# Altium PCB klpfly1.6.PcbDoc
Units mil, origin at the board's own origin, x right, y up, seen from the top; angles counter-clockwise.
Board outline 1496.06 x 1496.06 mil, 4 copper layers (Top Layer, POWER2, GND3, Bottom Layer), stack 23.756 mil thick; 127 components, 99 nets, 516 pads, 0 vias.
Unrouted connection lines stored in the file: 361.
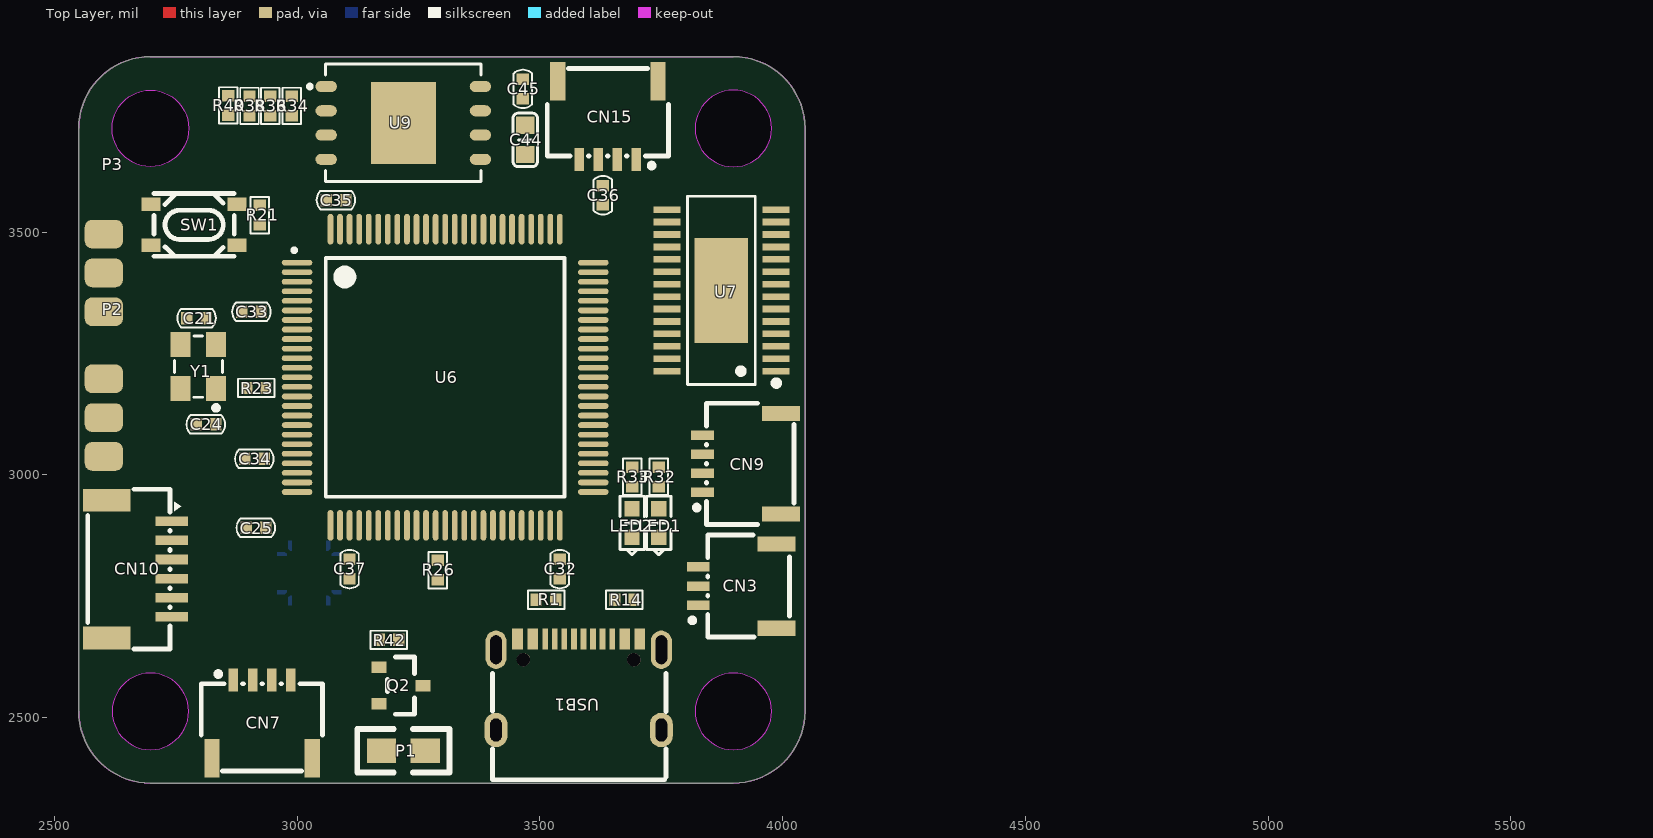
[diagram p0: Top Layer view]
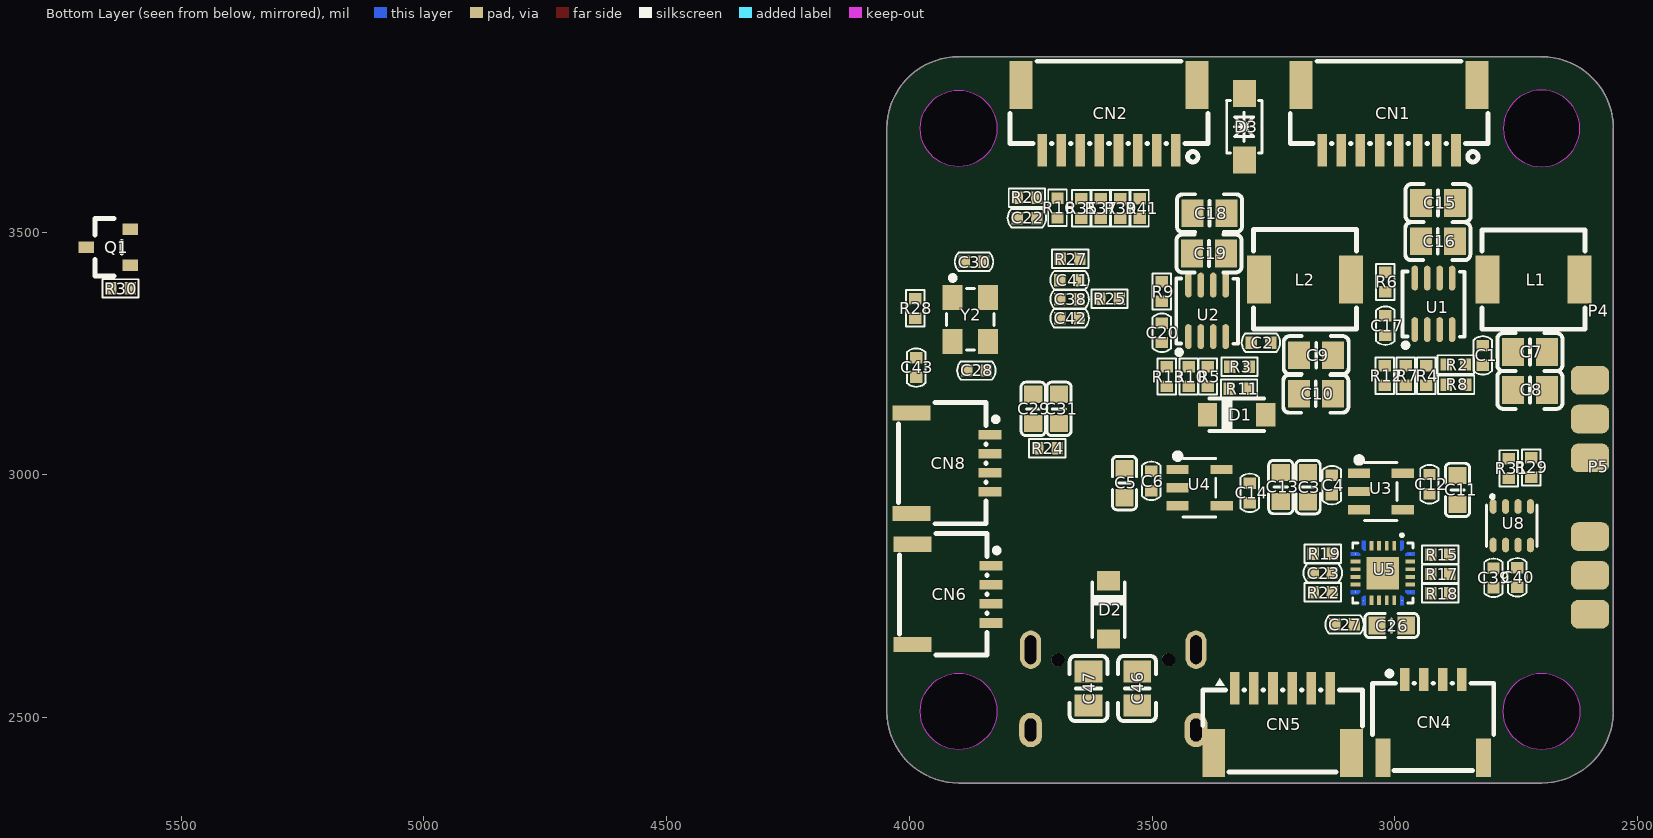
[diagram p1: Bottom Layer view, seen from below]

## Layer stack, top to bottom
Top Solder: solder mask 0.4, Solder Resist, Dk 3.5
Top Layer: signal copper 1.4
Dielectric 2: prepreg 2.8, PP-006, Dk 4.1
POWER2: signal copper 1.378
Dielectric 1: dielectric 12.6, FR-4, Dk 4.8
GND3: signal copper 1.378
Dielectric 3: prepreg 2.8, PP-006, Dk 4.1
Bottom Layer: signal copper 1.4
Bottom Solder: solder mask 0.4, Solder Resist, Dk 3.5

## Board outline
2550.25,2512.89 ccw(c2697.89,2512.89) 2697.89,2365.25 3898.68,2365.25 ccw(c3898.68,2512.89) 4046.31,2512.89 4046.31,3713.68 ccw(c3898.68,3713.68) 3898.68,3861.31 2697.89,3861.31 ccw(c2697.89,3713.68) 2550.25,3713.68
cut-out: 2697.89,3634.93 cw(c2697.89,3713.68) 2619.15,3713.68 cw(c2697.89,3713.68) 2697.89,3792.42 cw(c2697.89,3713.68) 2776.63,3713.68 cw(c2697.89,3713.68)
cut-out: 3819.93,3713.68 ccw(c3898.68,3713.68) 3898.68,3634.93 ccw(c3898.68,3713.68) 3977.42,3713.68 ccw(c3898.68,3713.68) 3898.68,3792.42 ccw(c3898.68,3713.68)
cut-out: 3819.93,2512.89 ccw(c3898.68,2512.89) 3898.68,2434.15 ccw(c3898.68,2512.89) 3977.42,2512.89 ccw(c3898.68,2512.89) 3898.68,2591.63 ccw(c3898.68,2512.89)
cut-out: 2619.15,2512.89 ccw(c2697.89,2512.89) 2697.89,2434.15 ccw(c2697.89,2512.89) 2776.63,2512.89 ccw(c2697.89,2512.89) 2697.89,2591.63 ccw(c2697.89,2512.89)

## Design rules (kind name [scope] priority, off if disabled: settings)
Clearance Clearance_HVPOWER [InNetClass('HVPOWER')] p1: gap=10 ignorepadtopadclearanceinfootprint=TRUE except(0: Arc-Hole Track-Hole SMDPad-Hole THPad-Hole Via-Hole Fill-Hole Poly-Hole Region-Hole Text-Hole)
Clearance Clearance_LVPOWER [InNetClass('LVPOWER')] p2: gap=8 ignorepadtopadclearanceinfootprint=TRUE except(0: Arc-Hole Track-Hole SMDPad-Hole THPad-Hole Via-Hole Fill-Hole Poly-Hole Region-Hole Text-Hole)
Clearance [All] p3: gap=6 ignorepadtopadclearanceinfootprint=TRUE
ComponentClearance [All] p1: gap=10 collisioncheckmode=3 verticalgap=0 showdistances=FALSE
PolygonConnect [All] p1: connectstyle=Relief reliefconductorwidth=10 reliefentries=4 polygonreliefangle="90 Angle" airgapwidth=10
RoutingVias [All] p1: holewidth=10 width=18 viastyle="Through Hole" minholewidth=10 minwidth=18 maxholewidth=100 maxwidth=100
SilkToSilkClearance [All] p1: silktosilkclearance=0
SilkToSolderMaskClearance [IsPad] p1: minsilkscreentomaskgap=0 clearancetoexposedcopper=TRUE
SolderMaskExpansion [All] p1: expansion=4 istentingtop=FALSE
Width Width_LVPOWER [InNetClass('LVPOWER')] p1: maxlimit=1000 minlimit=10 preferedwidth=10
Width Width_HVPOWER [InNetClass('HVPOWER')] p2: maxlimit=1000 minlimit=10 preferedwidth=10
Width [All] p3: maxlimit=1000 minlimit=6 preferedwidth=6
27 further rules are at their usual default settings.

## Classes and differential pairs
net class LVPOWER: GND VCC3V3_IMU VCC3V3_MCU VCC5V
net class HVPOWER: VCC10V VCC_BAT

## Components (designator, comment, footprint, x,y, rotation, side; value= is the part's Value field where it differs from the comment)
C1 "104" 0402C 2819,3246 r270 bottom
C2 "104" 0402C 3276,3272.41 r0 bottom
C3 "10uF" 0603C 3178.85,2974.78 r90 bottom
C4 "104" 0402C 3129.85,2978.78 r90 bottom
C5 "10uF" 0603C 3557,2983 r90 bottom
C6 "104" 0402C 3501.85,2987.78 r90 bottom
C7 "22uF" 0805C 2722,3253 r0 bottom
C8 "22uF" 0805C 2722,3175 r0 bottom
C9 "22uF" 0805C 3162.09,3246.73 r0 bottom
C10 "22uF" 0805C 3163,3167 r0 bottom
C11 "10uF" 0603C 2871,2969 r90 bottom
C12 "104" 0402C 2928.85,2980.78 r90 bottom
C13 "10uF" 0603C 3235,2975 r90 bottom
C14 "104" 0402C 3299,2963 r90 bottom
C15 "22uF" 0805C 2911,3560 r0 bottom
C16 "22uF" 0805C 2911.63,3481.38 r0 bottom
C17 "104" 0402C 3019.63,3307.38 r90 bottom
C18 "22uF" 0805C 3382,3539 r0 bottom
C19 "22uF" 0805C 3383,3456 r0 bottom
C20 "104" 0402C 3480.09,3292.73 r90 bottom
C21 "12pF" 0402C 2793,3323 r180 top
C22 "104" 0402C 3758,3529 r180 bottom
C23 "104" 0402C 3148.67,2797.93 r0 bottom
C24 "12pF" 0402C 2812,3104 r0 top
C25 "104" 0402C 2915,2891 r180 top
C26 "10uF" 0603C 3006.73,2689.66 r0 bottom
C27 "104" 0402C 3103.67,2691.93 r180 bottom
C28 "12pF" 0402C 3862,3215 r180 bottom
C29 "10uF" 0603C 3745,3136 r90 bottom
C30 "12pF" 0402C 3867,3439 r0 bottom
C31 "10uF" 0603C 3692,3136 r90 bottom
C32 "104" 0402C 3541,2806 r90 top
C33 "104" 0402C 2906,3336 r0 top
C34 "104" 0402C 2912,3033 r0 top
C35 "104" 0402C 3080,3566 r180 top
C36 "104" 0402C 3630,3576 r270 top
C37 "104" 0402C 3108,2806 r90 top
C38 "104" 0402C 3670,3362 r0 bottom
C39 "104" 0402C 2797,2788 r90 bottom
C40 "104" 0402C 2748,2789 r90 bottom
C41 "104" 0402C 3670,3401 r0 bottom
C42 "104" 0402C 3670,3323 r0 bottom
C43 "104" 0402C 3986,3221 r90 bottom
C44 "10uF" 0603C 3470,3690 r90 top
C45 "104" 0402C 3465,3795 r270 top
C46 "22uF" 0805C 3531,2560 r90 bottom
C47 "22uF" 0805C 3631,2560 r90 bottom
CN1 "SH1.0X8P" CONN-SMD_8P-P1.00_WAFER-SH1.0-8PWB 3012,3736 r0 bottom
CN2 "SH1.0X8P" CONN-SMD_8P-P1.00_WAFER-SH1.0-8PWB 3589,3736 r0 bottom
CN3 "SH1.0-3P" CONN-SMD_3P-P1.00_HDGC_HDGC1002WR-S-3P 3907,2771 r90 top
CN4 "HDGC1002WR-S-4P" CONN-SMD_4P-P1.00_HDGC_HDGC1002WR-S-4P 2921,2498 r180 bottom
CN5 "SH1.0X6P" CONN-SMD_6P-P1.00_MEGASTAR_ZX-SH1.0-6PWT 3231.43,2494.06 r180 bottom
CN6 "HDGC1002WR-S-4P" CONN-SMD_4P-P1.00_HDGC_HDGC1002WR-S-4P 3913,2754 r270 bottom
CN7 "HDGC1002WR-S-4P" CONN-SMD_4P-P1.00_HDGC_HDGC1002WR-S-4P 2928,2497 r0 top
CN8 "HDGC1002WR-S-4P" CONN-SMD_4P-P1.00_HDGC_HDGC1002WR-S-4P 3915,3024 r270 bottom
CN9 "HDGC1002WR-S-4P" CONN-SMD_4P-P1.00_HDGC_HDGC1002WR-S-4P 3916,3023 r90 top
CN10 "SH1.0X6P" CONN-SMD_6P-P1.00_MEGASTAR_ZX-SH1.0-6PWT 2675,2806 r270 top
CN15 "HDGC1002WR-S-4P" CONN-SMD_4P-P1.00_HDGC_HDGC1002WR-S-4P 3640,3730 r180 top
D1 "SS34" SOD-123 3326,3124 r0 bottom
D2 "SS34" SOD-123 3590,2722 r90 bottom
D3 "SMF28CA" SOD-123_L2.7-W1.8-LS3.7-BI 3310,3717 r270 bottom
L1 "10uH" IND-SMD_L5.4-W5.1 2714.63,3402.38 r0 bottom
L2 "10uH" IND-SMD_L5.4-W5.1 3185.09,3402.73 r0 bottom
LED1 "LED1" LED-0603 3745,2901 r270 top value=红色,0603
LED2 "LED1" LED-0603 3690,2901 r270 top value=红色,0603
P1 "BEEPER" 0805 3174,2432 r0 top
P2 "LED焊盘" 3P 2602,3038 r0 top
P3 "LED焊盘" 3P 2602,3336 r0 top
P4 "LED焊盘" 3P 2598,3035 r180 bottom
P5 "LED焊盘" 3P 2598,2713 r180 bottom
Q1 "S8050LT1-J3Y" SOT-23_L2.9-W1.3-P1.90-LS2.4-BR 5650,3469 r180 bottom
Q2 "S8050LT1-J3Y" SOT-23_L2.9-W1.3-P1.90-LS2.4-BR 3214,2566 r180 top
R1 "5.1K" 0402R 3513,2743 r0 top
R2 "20R" 0402R 2874.63,3227.38 r180 bottom
R3 "20R" 0402R 3320.09,3222.73 r180 bottom
R4 "1M" 0402R 2935.63,3204.38 r90 bottom
R5 "1M" 0402R 3385.09,3202.73 r90 bottom
R6 "100K" 0402R 3019.63,3397.38 r90 bottom
R7 "51K" 0402R 2977.63,3204.38 r270 bottom
R8 "41.2K" 0402R 2874,3186 r180 bottom
R9 "100K" 0402R 3480.09,3377.73 r90 bottom
R10 "51K" 0402R 3425.09,3202.73 r270 bottom
R11 "41.2K" 0402R 3321,3177.41 r180 bottom
R12 "3.6K" 0402R 3020.63,3204.38 r270 bottom
R13 "7.68K" 0402R 3470.09,3202.73 r270 bottom
R14 "5.1K" 0402R 3674,2743 r180 top
R15 "10K" 0402R 2906.67,2835.92 r0 bottom
R16 "10K" 0402R 3695,3550 r90 bottom
R17 "10K" 0402R 2906.67,2795.92 r0 bottom
R18 "10K" 0402R 2906.67,2755.92 r0 bottom
R19 "10K" 0402R 3148.67,2837.93 r0 bottom
R20 "1K" 0402R 3758,3571 r180 bottom
R21 "10K" 0402R 2923,3535 r90 top
R22 "10K" 0402R 3148.67,2757.93 r0 bottom
R23 "10K" 0402R 2916,3179 r180 top
R24 "75R" 0402R 3716,3055 r180 bottom
R25 "75R" 0402R 3588,3363 r0 bottom
R26 "10K" 0402R 3290,2803.76 r270 top
R27 "10K" 0402R 3669,3445 r0 bottom
R28 "10K" 0402R 3988,3343 r90 bottom
R29 "10K" 0402R 2719.2,3015.3 r90 bottom
R30 "1K" 0402R 5625,3384 r0 bottom
R31 "10K" 0402R 2765.2,3013.3 r90 bottom
R32 "4.7K" 0402R 3745,2996 r90 top
R33 "4.7K" 0402R 3690,2996 r90 top
R34 "100R" 0402R 2989,3760 r90 top
R35 "100R" 0402R 3646,3549 r270 bottom
R36 "100R" 0402R 2945,3760 r90 top
R37 "100R" 0402R 3606,3549 r270 bottom
R38 "100R" 0402R 2902,3760 r90 top
R39 "100R" 0402R 3566,3549 r270 bottom
R40 "100R" 0402R 2858,3761 r90 top
R41 "100R" 0402R 3526,3549 r270 bottom
R42 "1K" 0402R 3189,2660 r180 top
SW1 "TS3425BA" SW-SMD_4P-L4.2-W3.2-P2.15-LS4.6-1 2788,3515 r0 top
U1 "MP9943" QFN-8-3X3 2919.63,3352.38 r90 bottom
U2 "MP9943" QFN-8-3X3 3386,3338 r90 bottom
U3 "SPX3819M5-L-3-3/TR" SOT-23-5_L3.0-W1.7-P0.95-LS2.8-BL 3028.85,2965.78 r270 bottom
U4 "SPX3819M5-L-3-3/TR" SOT-23-5_L3.0-W1.7-P0.95-LS2.8-BL 3402.58,2973.6 r270 bottom
U5 "MPU6500" QFN-24_L3.0-W3.0-P0.40-BL-EP 3024.87,2797.8 r0 bottom
U6 "AT32F437VMT7-LQFP100" LQFP-100_L14.0-W14.0-P0.50-LS16.0-TL 3305,3201 r0 top
U7 "AT7456E" TSSOP-28_L9.7-W4.4-P0.65-LS6.4-BL-EP5.5 3874.01,3380 r90 top
U8 "BMP280" SENSOR-TH_BMP280-BL 2759.2,2895.3 r270 bottom
U9 "W25N01GVZEIG" WSON-8_L8.0-W6.10-P1.27-EP 3218.77,3725 r0 top
USB1 "" USB-C-SMD_TYPE-C-6PIN-2MD-073 3580,2568 r0 top
Y1 "8Mhz" XTAL3225 2833,3178 r90 top
Y2 "27MHz" XTAL3225 3910.83,3365.55 r270 bottom

## Footprints (in the part's own frame and the unit in brackets; to place one, negate y for a bottom-side part, rotate by r counter-clockwise, add the part's x,y. Pads: shape width x height; smd on the part's side, far side on the other; paste and mask are expansions set on the pad)
3P [mm]
  rrect50% 2x1.5 smd: 1(0,0) 2(0,2.032) 3(0,4.064)
0402C [mm]
  rect 0.6x0.65 smd: 1(-0.508,0) 2(0.508,0)
  silkscreen extent -1.01,-0.48 1.01,0.48, body extent -0.51,-0.23 0.49,0.27, height 0.5
0402R [mm]
  rect 0.6x0.65 smd: 1(-0.508,0) 2(0.508,0)
  silkscreen extent -0.95,-0.48 0.95,0.48, body extent -0.47,-0.25 0.53,0.25, height 0.35
0603C [mm]
  rect 0.9x0.95 smd: 1(-0.762,0) 2(0.762,0)
  silkscreen extent -1.4,-0.64 1.4,0.64, body extent -0.79,-0.38 0.81,0.42, height 0.3
0805 [mil]
  rect 60x50 smd: 1(0,-0.06) 2(90,-0.06)
  silkscreen extent -50,-45 140,45
0805C [mm]
  rect 1.15x1.45 smd: 1(-0.889,0) 2(0.889,0)
  silkscreen extent -1.7,-0.99 1.7,0.99, body extent -1,-0.63 1,0.63, height 0.78
CONN-SMD_3P-P1.00_HDGC_HDGC1002WR-S-3P [mm]
  rect 0.5x1.2 smd paste+0 mask+0.05: 1(-1,2.05) 2(0,2.05) 3(1,2.05)
  rect 0.8x2 smd paste+0 mask+0.05: 4(2.2,-2.05) 5(-2.2,-2.05)
  silkscreen extent -2.67,-2.72 2.67,2.48
CONN-SMD_4P-P1.00_HDGC_HDGC1002WR-S-4P [mm]
  rect 0.5x1.2 smd paste+0 mask+0.05: 1(-1.5,2.05) 2(-0.5,2.05) 3(0.5,2.05) 4(1.5,2.05)
  rect 0.8x2 smd paste+0 mask+0.05: 5(2.625,-2.05) 6(-2.625,-2.05)
  silkscreen extent -3.18,-2.72 3.17,2.49
CONN-SMD_6P-P1.00_MEGASTAR_ZX-SH1.0-6PWT [mm]
  rect 0.5x1.7 smd paste+0 mask+0.05: 1(-2.5,1.7) 2(-1.5,1.7) 3(-0.5,1.7) 4(0.5,1.7) 5(1.5,1.7) 6(2.5,1.7)
  rect 1.2x2.5 smd paste+0 mask+0.05: 7(3.6,-1.7) 8(-3.6,-1.7)
  silkscreen extent -4.17,-2.7 4.18,2.21
CONN-SMD_8P-P1.00_WAFER-SH1.0-8PWB [mm]
  rect 0.5x1.7 smd paste+0 mask+0.05: 1(-3.5,1.7) 2(-2.5,1.7) 3(-1.5,1.7) 4(-0.5,1.7) 5(0.5,1.7) 6(1.5,1.7) 7(2.5,1.7) 8(3.5,1.7)
  rect 1.2x2.5 smd paste+0 mask+0.05: 9(-4.6,-1.7) 10(4.6,-1.7)
  silkscreen extent -5.17,-2.95 5.17,2.32
IND-SMD_L5.4-W5.1 [mm]
  rect 1.25x2.5 smd paste+0.051: 1(-2.4,0) 2(2.4,0)
  silkscreen extent -2.7,-2.6 2.7,2.6
LED-0603 [mm]
  rect 0.8x0.8 smd: 1(-0.75,0) 2(0.75,0)
  silkscreen extent -1.4,-0.64 1.66,0.64, body extent -0.8,-0.4 0.8,0.4, height 0.4
LQFP-100_L14.0-W14.0-P0.50-LS16.0-TL [mm]
  oval 1.6x0.3 smd paste+0 mask+0.051: 1(-7.75,6) 2(-7.75,5.5) 3(-7.75,5) 4(-7.75,4.5) 5(-7.75,4) 6(-7.75,3.5) 7(-7.75,3) 8(-7.75,2.5) 9(-7.75,2) 10(-7.75,1.5) 11(-7.75,1) 12(-7.75,0.5) 13(-7.75,0) 14(-7.75,-0.5) 15(-7.75,-1) 16(-7.75,-1.5) 17(-7.75,-2) 18(-7.75,-2.5) 19(-7.75,-3) 20(-7.75,-3.5) 21(-7.75,-4) 22(-7.75,-4.5) 23(-7.75,-5) 24(-7.75,-5.5) 25(-7.75,-6) 51(7.75,-6) 52(7.75,-5.5) 53(7.75,-5) 54(7.75,-4.5) 55(7.75,-4) 56(7.75,-3.5) 57(7.75,-3) 58(7.75,-2.5) 59(7.75,-2) 60(7.75,-1.5) 61(7.75,-1) 62(7.75,-0.5) 63(7.75,0) 64(7.75,0.5) 65(7.75,1) 66(7.75,1.5) 67(7.75,2) 68(7.75,2.5) 69(7.75,3) 70(7.75,3.5) 71(7.75,4) 72(7.75,4.5) 73(7.75,5) 74(7.75,5.5) 75(7.75,6)
  oval 0.3x1.6 smd paste+0 mask+0.051: 26(-6,-7.75) 27(-5.5,-7.75) 28(-5,-7.75) 29(-4.5,-7.75) 30(-4,-7.75) 31(-3.5,-7.75) 32(-3,-7.75) 33(-2.5,-7.75) 34(-2,-7.75) 35(-1.5,-7.75) 36(-1,-7.75) 37(-0.5,-7.75) 38(0,-7.75) 39(0.5,-7.75) 40(1,-7.75) 41(1.5,-7.75) 42(2,-7.75) 43(2.5,-7.75) 44(3,-7.75) 45(3.5,-7.75) 46(4,-7.75) 47(4.5,-7.75) 48(5,-7.75) 49(5.5,-7.75) 50(6,-7.75) 76(6,7.75) 77(5.5,7.75) 78(5,7.75) 79(4.5,7.75) 80(4,7.75) 81(3.5,7.75) 82(3,7.75) 83(2.5,7.75) 84(2,7.75) 85(1.5,7.75) 86(1,7.75) 87(0.5,7.75) 88(0,7.75) 89(-0.5,7.75) 90(-1,7.75) 91(-1.5,7.75) 92(-2,7.75) 93(-2.5,7.75) 94(-3,7.75) 95(-3.5,7.75) 96(-4,7.75) 97(-4.5,7.75) 98(-5,7.75) 99(-5.5,7.75) 100(-6,7.75)
  silkscreen extent -8,-6.25 6.25,6.75
QFN-8-3X3 [mm]
  oval 1.3x0.35 smd paste+0 mask+0.051: 1(-1.349,1.001) 2(-1.349,0.351) 3(-1.349,-0.3) 4(-1.349,-0.95) 5(1.346,-0.95) 6(1.346,-0.3) 7(1.346,0.351) 8(1.349,1.001)
  silkscreen extent -2.29,-1.6 1.68,1.64
QFN-24_L3.0-W3.0-P0.40-BL-EP [mm]
  round 0.04 smd: 1(-1,-1.428) 6(1,-1.428) 7(1.428,-1) 12(1.428,1) 13(1,1.428) 18(-1,1.428) 19(-1.428,1) 24(-1.428,-1)
  rect 0.2x0.505 smd paste-100 mask+0.051: 2(-0.6,-1.428) 3(-0.2,-1.428) 4(0.2,-1.428) 5(0.6,-1.428) 14(0.6,1.428) 15(0.2,1.428) 16(-0.2,1.428) 17(-0.6,1.428)
  rect 0.505x0.2 smd paste-100 mask+0.051: 8(1.428,-0.6) 9(1.428,-0.2) 10(1.428,0.2) 11(1.428,0.6) 20(-1.428,0.6) 21(-1.428,0.2) 22(-1.428,-0.2) 23(-1.428,-0.6)
  rect 1.7x1.7 smd paste-100 mask+0.051: 25(0,0)
  Top Layer region: -1.68,1.1 -1.274,1.1 -1.174,1 -1.175,0.9 -1.68,0.9 -1.68,1.1
  Top Layer region: 1.1,-1.68 0.9,-1.68 0.9,-1.175 1,-1.175 1.1,-1.275 1.1,-1.68
  Top Layer region: -1.1,-1.68 -0.9,-1.68 -0.9,-1.175 -1,-1.174 -1.1,-1.275 -1.1,-1.68
  Top Layer region: 1.1,1.68 0.9,1.68 0.9,1.175 1,1.174 1.1,1.274 1.1,1.68
  Top Layer region: 1.68,1.1 1.274,1.1 1.174,1 1.175,0.9 1.68,0.9 1.68,1.1
  Top Layer region: 1.68,-1.1 1.275,-1.1 1.175,-1 1.175,-0.9 1.68,-0.9 1.68,-1.1
  Top Layer region: -1.68,-1.1 -1.274,-1.1 -1.174,-1 -1.175,-0.9 -1.68,-0.9 -1.68,-1.1
  Top Layer region: -1.1,1.68 -0.9,1.68 -0.9,1.175 -1,1.174 -1.1,1.274 -1.1,1.68
  silkscreen extent -1.58,-2.05 1.58,1.58
SENSOR-TH_BMP280-BL [mm]
  oval 0.767x0.364 smd paste+0 mask+0.051: 1(-1.008,-0.975) 2(-1.008,-0.325) 3(-1.008,0.325) 4(-1.008,0.975) 5(1.009,0.975) 6(1.009,0.325) 7(1.009,-0.325) 8(1.009,-0.975)
  silkscreen extent -1.61,-1.33 1.08,1.33
SOD-123 [mm]
  rect 1x1.22 smd: 1(-1.524,0) 2(1.524,0)
  silkscreen extent -1.43,-0.85 1.42,0.85, body extent -1.85,-0.81 1.85,0.79, height 1.2
SOD-123_L2.7-W1.8-LS3.7-BI [mm]
  rect 1.4x1.2 smd paste+0 mask+0.051: 1(-1.735,0) 2(1.735,0)
  silkscreen extent -1.38,-0.93 1.38,0.93
SOT-23-5_L3.0-W1.7-P0.95-LS2.8-BL [mm]
  rect 0.49x1.157 smd paste+0 mask+0.051: 1(-0.95,-1.154) 2(0,-1.154) 3(0.95,-1.154)
  rect 0.49x1.175 smd paste+0 mask+0.051: 4(0.95,1.154) 5(-0.95,1.154)
  silkscreen extent -1.8,-1.29 1.53,0.85
SOT-23_L2.9-W1.3-P1.90-LS2.4-BR [mm]
  rect 0.8x0.6 smd paste+0 mask+0.051: 1(1.15,-0.95) 2(1.15,0.95) 3(-1.15,0)
  silkscreen extent -0.7,-1.5 0.7,1.5
SW-SMD_4P-L4.2-W3.2-P2.15-LS4.6-1 [mm]
  rect 1x0.7 smd paste+0 mask+0.051: 1(-2.25,1.075) 2(2.25,1.075) 3(-2.25,-1.075) 4(2.25,-1.075)
  silkscreen extent -2.1,-1.65 2.1,1.65
TSSOP-28_L9.7-W4.4-P0.65-LS6.4-BL-EP5.5 [mm]
  rect 0.35x1.4 smd paste+0 mask+0.051: 1(-4.225,-2.85) 2(-3.575,-2.85) 3(-2.925,-2.85) 4(-2.275,-2.85) 5(-1.625,-2.85) 6(-0.975,-2.85) 7(-0.325,-2.85) 8(0.325,-2.85) 9(0.975,-2.85) 10(1.625,-2.85) 11(2.275,-2.85) 12(2.925,-2.85) 13(3.575,-2.85) 14(4.225,-2.85) 15(4.225,2.85) 16(3.575,2.85) 17(2.925,2.85) 18(2.275,2.85) 19(1.625,2.85) 20(0.975,2.85) 21(0.325,2.85) 22(-0.325,2.85) 23(-0.975,2.85) 24(-1.625,2.85) 25(-2.275,2.85) 26(-2.925,2.85) 27(-3.575,2.85) 28(-4.225,2.85)
  rect 5.5x2.8 smd paste+0 mask+0.05: 29(0,0)
  silkscreen extent -5,-3.02 4.93,1.77
USB-C-SMD_TYPE-C-6PIN-2MD-073 [mm]
  rect 0.55x1.1 smd paste-100 mask+0.05: 1(-3.2,2.375) 2(-2.4,2.375) 11(2.4,2.375) 12(3.2,2.375)
  rect 0.3x1.1 smd paste-100 mask+0.05: 3(-1.75,2.375) 4(-1.25,2.375) 5(-0.75,2.375) 6(-0.25,2.375) 7(0.25,2.375) 8(0.75,2.375) 9(1.25,2.375) 10(1.75,2.375)
  oval 1.2x1.8 hole 0.6 slot 1.2 at 90 deg paste+0 mask+0.05: 13(-4.325,-2.375) 14(4.325,-2.375)
  oval 1.1x2 hole 0.6 slot 1.5 at 90 deg paste+0 mask+0.05: 13(-4.325,1.825) 14(4.325,1.825)
  round 0.7 hole 0.7 unplated paste+0: ""(-2.89,1.305) ""(2.89,1.305)
  silkscreen extent -4.5,-4.97 4.57,0.6
WSON-8_L8.0-W6.10-P1.27-EP [mm]
  oval 1.115x0.581 smd paste+0 mask+0.051: 1(-4.033,1.905) 2(-4.033,0.635) 3(-4.033,-0.635) 4(-4.033,-1.905) 5(4.033,-1.905) 6(4.033,-0.635) 7(4.033,0.635) 8(4.033,1.905)
  rect 3.4x4.3 smd paste+0 mask+0.051: 9(0,0)
  silkscreen extent -4.99,-3.08 4.08,3.08
XTAL3225 [mm]
  rect 1.3x1.05 smd: 1(0,0) 2(2.3,0) 3(2.3,1.85) 4(0,1.85)
  silkscreen extent -1.14,-0.33 2.74,2.17

## Part data
C1 C2 C3 C4 C5 C6 C7 C8 C9 C10 C11 C12 C13 C14 C15 C16 C17 C18 C19 C20 C21 C22 C23 C24 C25 C26 C27 C28 C29 C30 C31 C32 C33 C34 C35 C36 C37 C38 C39 C40 C41 C42 C43 C44 C45 C46 C47: library part C
CN1 CN2: library part WAFER_SMT_1.0X8, "SH1.0 8P", JLCPCB Part Class="Extended Part", Manufacturer=null, Add into BOM=yes, Convert to PCB=yes, Device=WAFER_SMT_1.0X8, FootprintName=CONN-SMD_8P-P1.00_WAFER-SH1.0-8PWB, Manufacturer Part=WAFER_SMT_1.0X8, ModelTransform=407.873,198.8185,0,0,0,0,-0.001,-16.732,0, OriginModelName=CONN-SMD_8P-P1.00_WAFER-SH1.0-8PWB, Supplier=LCSC, Supplier Part=C9900021939, SymbolName=SH1.0X8P, UniqueId=ggebe725300a9fc9f2b
CN3: library part HDGC1002WR-S-3P, "SH1.0 3P", JLCPCB Part Class="Extended Part", Manufacturer=HDGC(华德共创), Add into BOM=yes, Convert to PCB=yes, Device=HDGC1002WR-S-3P, FootprintName=CONN-SMD_3P-P1.00_HDGC_HDGC1002WR-S-3P, Manufacturer Part=HDGC1002WR-S-3P, ModelTransform=210.63,196.85,0,0,0,0,0,-9.565,0, OriginModelName=CONN-SMD_3P-P1.00_HDGC_HDGC1002WR-S-3P, Supplier=LCSC, Supplier Part=C2936213, SymbolName=SH1.0-3P, UniqueId=gge2ce44b7eaad9832b
CN4 CN6 CN7 CN8 CN9 CN15: "SH1.0 4P", JLCPCB Part Class="Extended Part", Manufacturer=HDGC(华德共创), Add into BOM=yes, Convert to PCB=yes, Device=HDGC1002WR-S-4P, FootprintName=CONN-SMD_4P-P1.00_HDGC_HDGC1002WR-S-4P, Manufacturer Part=HDGC1002WR-S-4P, ModelTransform=249.9995,196.85,0,0,0,0,0,-5.906,0, OriginModelName=CONN-SMD_4P-P1.00_HDGC_HDGC1002WR-S-4P, Supplier=LCSC, Supplier Part=C2936214, SymbolName=HDGC1002WR-S-4P, UniqueId=ggee5a51ee7bd50bb1d
CN5 CN10: library part ZX-SH1.0-6PWT, "SH1.0 6P", JLCPCB Part Class="Extended Part", Manufacturer=Megastar(兆星), Add into BOM=yes, Convert to PCB=yes, Device=ZX-SH1.0-6PWT, FootprintName=CONN-SMD_6P-P1.00_MEGASTAR_ZX-SH1.0-6PWT, link=https://so.szlcsc.com/global.html?k=C7430448&ref=editor, Manufacturer Part=ZX-SH1.0-6PWT, ModelTransform=329.1332,198.8185,0,0,0,0,0.002,-7.876,0, OriginModelName=CONN-SMD_6P-P1.00_MEGASTAR_ZX-SH1.0-6PWT, Supplier=LCSC, Supplier Part=C7430448, SymbolName=SH1.0X6P, UniqueId=ggecd9d3fcf4734ba22
D1 D2: library part D, "1N4148"
D3: JLCPCB Part Class="Extended Part", Manufacturer=AnBon(安邦), Add into BOM=yes, Convert to PCB=yes, Device=SMF28CA, FootprintName=SOD-123_L2.7-W1.8-LS3.7-BI, link=https://so.szlcsc.com/global.html?k=C435496&ref=editor, Manufacturer Part=SMF28CA, ModelTransform=145.669,70.866,0,0,0,0,0,0,0, OriginModelName=SOD-123_L2.7-W1.8-LS3.7-BI, Supplier=LCSC, Supplier Part=C435496, SymbolName=SMF28CA, UniqueId=gge8336ca0810bb463b
L1 L2: library part L
LED1 LED2: "红色,0603,0603,*,RoHS", ComponentLink1Description=ErpDataInfo, ComponentLink1URL=http://erp.zlgmcu.com/ErpExt/ErpData/ListMateriel.aspx?pkey=1.04.05.0008, RoHS=RoHS, 名称=发光二极管, 器件优选方案=优先选用, 型号=红色,0603, 封装=0603, 物料代码=1.04.05.0008, 设备封装名称=LED0603-RED, 贴片和直插=SMT
P1: library part "Header 2", "Header, 2-Pin", LatestRevisionDate=17-Jul-2002, LatestRevisionNote="Re-released for DXP Platform.", Publisher="Altium Limited"
Q1 Q2: Manufacturer=FH(风华), Add into BOM=yes, Convert to PCB=yes, Device=S8050LT1-J3Y, FootprintName=SOT-23_L2.9-W1.3-P1.90-LS2.4-BR, link=https://atta.szlcsc.com/upload/public/pdf/source/20220411/740B3F4857AB400E9826209E74F1EDA4.pdf, Manufacturer Part=S8050LT1-J3Y, ModelTransform=98.64468,114.173,0,180,0,0,0.001,0.001,0, OriginModelName=SOT-23-3P_L2.9-W1.3-H1.0-LS2.4-P0.95, Supplier=LCSC, Supplier Part=C2962087, SymbolName=S8050LT1-J3Y, UniqueId=gge1c8eb3e3ebf663b6
R1 R2 R3 R4 R5 R6 R7 R8 R9 R10 R11 R12 R13 R14 R15 R16 R17 R18 R19 R20 R21 R22 R23 R24 R25 R26 R27 R28 R29 R30 R31 R32 R33 R34 R35 R36 R37 R38 R39 R40 R41 R42: library part R
SW1: JLCPCB Part Class="Extended Part", Manufacturer="SHOU HAN(首韩)", Package Display=No, Contributor=LCSC, Manufacturer Part=TS3425BA, spicePre=S, spiceSymbolName=TS3425BA, Supplier=LCSC, Supplier Part=C2681476
U3 U4: JLCPCB Part Class="Extended Part", Manufacturer=MaxLinear(迈凌), Add into BOM=yes, Convert to PCB=yes, Device=SPX3819M5-L-3-3/TR, FootprintName=SOT-23-5_L3.0-W1.7-P0.95-LS2.8-BL, Manufacturer Part=SPX3819M5-L-3-3/TR, ModelTransform=114.173,109.636,0,180,0,0,0,-0.001,0, OriginModelName=SOT-23-5_L2.9-W1.6-H1.1-LS2.8-P0.95, Supplier=LCSC, Supplier Part=C9055, SymbolName=SPX3819M5-L-3-3/TR, UniqueId=gge70c12bce5ebcd7d5
U5: library part MPU-6500, JLCPCB Part Class="Extended Part", Manufacturer="TDK InvenSense(应美盛)", Add into BOM=yes, Convert to PCB=yes, Device=MPU-6500, FootprintName=QFN-24_L3.0-W3.0-P0.40-BL-EP, Manufacturer Part=MPU-6500, ModelTransform=118.11,118.11,0,90,0,0,0,0,0, OriginModelName=QFN-24_L3.0-W3.0-H0.9-P0.40-BL-EP, Supplier=LCSC, Supplier Part=C50278, SymbolName=MPU6500, UniqueId=gge6fb0faa0bb8ee760
U6: library part AT32F435VMT7, Manufacturer=ARTERY（雅特力）, Add into BOM=yes, Convert to PCB=yes, Device=AT32F435VMT7, FootprintName=LQFP-100_L14.0-W14.0-P0.50-LS16.0-TL, link=https://atta.szlcsc.com/upload/public/pdf/source/20220608/9A6D4578C11CEA8ECA586071DFEBC06A.pdf, Manufacturer Part=AT32F435VMT7, ModelTransform=629.921,629.921,0,270,0,0,0,0,0, OriginModelName=LQFP-100_L14.0-W14.0-H1.4-LS16.0-P0.50, Supplier=LCSC, Supplier Part=C3029578, SymbolName=AT32F437VMT7-LQFP100, UniqueId=ggece277d5420079038
U7: JLCPCB Part Class="Extended Part", Manufacturer=ZHONGKEWEI, Add into BOM=yes, Convert to PCB=yes, Device=AT7456E, FootprintName=TSSOP-28_L9.7-W4.4-P0.65-LS6.4-BL-EP5.5, Manufacturer Part=AT7456E, ModelTransform=381.889,251.968,0,0,0,0,0,0.005,0, OriginModelName=TSSOP-28_L9.7-W4.4-P0.65-LS6.4-BL-EP5.5, Supplier=LCSC, Supplier Part=C82351, SymbolName=AT7456E, UniqueId=gge0ef7d474198b7014
U8: JLCPCB Part Class="Extended Part", Manufacturer=Bosch, Add into BOM=yes, Convert to PCB=yes, Device=BMP280, FootprintName=SENSOR-TH_BMP280-BL, Manufacturer Part=BMP280, ModelTransform=98.425,78.74,0,270,0,0,0.005,-0.001,0, OriginModelName=LGA-8_L2.0-W2.5-H1.0-P0.65, Supplier=LCSC, Supplier Part=C83291, SymbolName=BMP280, UniqueId=gge447de30e0e3d1cf2
U9: JLCPCB Part Class="Extended Part", Manufacturer="Winbond Elec", Add into BOM=yes, Convert to PCB=yes, Device=W25N01GVZEIG, FootprintName=WSON-8_L8.0-W6.10-P1.27-EP, Manufacturer Part=W25N01GVZEIG, ModelTransform=315.7474,236.22,0,0,0,0,0,0,0, OriginModelName=WSON-8_L8.0-W6.0-H0.8-P1.27, Supplier=LCSC, Supplier Part=C88868, SymbolName=W25N01GVZEIG, UniqueId=ggee63176ef5aab684c
USB1: library part "TYPE-C 16PIN 2MD(073)", JLCPCB Part Class="Extended Part", Manufacturer="SHOU HAN(首韩)", Package Display=Yes, Contributor=LCSC, Manufacturer Part="TYPE-C 16PIN 2MD(073)", spicePre=U, spiceSymbolName="TYPE-C 16PIN 2MD(073)", Supplier=LCSC, Supplier Part=C2765186
Y1 Y2: library part XTAL_3225, "3225贴片无源晶振"
U1 U2: Add into BOM=yes, Convert to PCB=yes, Device=MP9943, FootprintName=QFN-8-3X3, SymbolName=MP9943, UniqueId=ggeb87cc7bca5c8949e

## Nets (pads, with @x,y where several pads share a name; then routed paths per layer and width w, separated by ;. In a path a pad name is that pad's centre, name@x,y a point inside that pad or via, vN(x,y) a via of type N, cw(c..) or ccw(c..) an arc to the next point about the centre after c; other vN are vias at no path point)
: CN9.1 U6.68
AT_CS: R28.2 U6.86 U7.8
AT_MISO: U6.84 U7.11
AT_MOSI: U6.85 U7.9
AT_SCK: U6.82 U7.10
BEEPER: R42.1 U6.48
BOOT0: R21.2 SW1.1 SW1.2 U6.94
BOX_CS: U6.87 U9.1
BOX_MISO: U6.79 U9.2
BOX_MOSI: U6.80 U9.5
BOX_SCK: U6.78 U9.6
CURRENT1: CN1.1 U6.36
GND: C3.1 C4.1 C5.1 C6.1 C7.1 C8.1 C9.1 C10.1 C11.1 C12.1 C13.1 C14.1 C15.1 C16.1 C17.1 C18.1 C19.1 C20.1 C21.1 C22.1 C23.2 C24.1 C25.1 C26.1 C27.1 C28.1 C30.1 C32.1 C33.1 C34.1 C35.1 C36.1 C37.1 C39.1 C40.1 C41.1 C42.1 C43.1 C44.1 C45.1 C46.1 C47.1 CN1.8 CN1.9 CN1.10 CN2.8 CN2.9 CN2.10 CN3.1 CN3.4 CN3.5 CN4.4 CN4.5 CN4.6 CN5.2 CN5.5 CN5.7 CN5.8 CN6.2 CN6.5 CN6.6 CN7.4 CN7.5 CN7.6 CN8.3 CN8.5 CN8.6 CN9.4 CN9.5 CN9.6 CN10.5 CN10.7 CN10.8 CN15.4 CN15.5 CN15.6 D3.1 LED1.2 LED2.2 P2.3 P3.3 P4.3 P5.3 Q1.2 Q2.2 R1.1 R12.1 R13.1 R14.1 R19.2 R20.1 R21.1 R22.2 R25.1 R26.2 U1.5 U2.5 U3.2 U4.2 U5.18 U5.20 U5.25 U6.10 U6.20 U6.27 U6.74 U6.99 U7.4 U7.20 U7.23 U8.1 U8.5 U8.7 U9.4 U9.9 USB1.1 USB1.12 USB1.13 USB1.14 Y1.2 Y1.4 Y2.2 Y2.4
GYRO_CS1: R18.2 U5.22 U6.29
GYRO_EXTI1: U6.77
GYRO_EXTI2: U6.60
GYRO_MISO: R19.1 U5.9 U6.31
GYRO_MOSI: R15.2 U5.24 U6.32
GYRO_SCK: R17.2 U5.23 U6.30
HEXT_IN: C21.2 U6.12 Y1.3
HEXT_OUT: C24.2 U6.13 Y1.1
I2C_SCL: CN10.2 R29.1 U6.15 U8.4
I2C_SDA: CN10.1 R31.1 U6.16 U8.3
LED: P2.1 P3.1 P4.1 P5.1 U6.47
LED1: R32.2 U6.61
LED2: R33.2 U6.62
MOTOR1: R34.2 U6.92
MOTOR2: R36.2 U6.93
MOTOR3: R38.2 U6.95
MOTOR4: R40.2 U6.96
NetC1_1: C1.1 L1.2 U1.6
NetC1_2: C1.2 R2.2
NetC2_1: C2.1 L2.2 U2.6
NetC2_2: C2.2 R3.2
NetC9_2: C9.2 C10.2 D1.1 L2.1 R11.2
NetC17_2: C17.2 R6.1 U1.2
NetC20_2: C20.2 R9.1 U2.2
NetC23_1: C23.1 U5.10
NetC29_1: C29.1 C31.1 R24.2
NetC29_2: C29.2 U7.26
NetC31_2: C31.2 U7.25
NetC38_2: C38.2 U7.22
NetCN1_3: CN1.3 R40.1
NetCN1_4: CN1.4 R38.1
NetCN1_5: CN1.5 R36.1
NetCN1_6: CN1.6 R34.1
NetCN2_3: CN2.3 R41.1
NetCN2_4: CN2.4 R39.1
NetCN2_5: CN2.5 R37.1
NetCN2_6: CN2.6 R35.1
NetLED1_1: LED1.1 R32.1
NetLED2_1: LED2.1 R33.1
NetP1_2: P1.2 Q2.3
NetQ2_1: Q2.1 R42.2
NetR1_2: R1.2 USB1.4
NetR2_1: R2.1 U1.4
NetR3_1: R3.1 U2.4
NetR4_2: R4.2 U1.3
NetR5_2: R5.2 U2.3
NetR6_2: R6.2 U1.8
NetR7_1: R7.1 U1.1
NetR7_2: R7.2 R8.1 R12.2
NetR9_2: R9.2 U2.8
NetR10_1: R10.1 U2.1
NetR10_2: R10.2 R11.1 R13.2
NetR14_2: R14.2 USB1.10
NetR22_1: R22.1 U5.11
NetR23_1: R23.1 U6.14
NetR26_1: R26.1 U6.37
NetR27_2: R27.2 U7.19
OSD_HEXT_IN: C28.2 U7.5 Y2.3
OSD_HEXT_OUT: C30.2 U7.6 Y2.1
OSD_IN_CAM: C38.1 CN6.1 R25.2
OSD_OUT_VTX: CN8.2 R24.1
SBUS: CN3.3 CN5.1 Q1.1
SERVO1: R35.2 U6.63
SERVO2: R37.2 U6.64
SERVO3: R39.2 U6.65
SERVO4: R41.2 U6.66
SWDCLK: CN15.1 U6.76
SWDIO: CN15.2 U6.72
UART1_RX: CN9.2 Q1.3 R30.2 U6.69
UART2_RX: CN4.2 U6.26
UART2_TX: CN4.1 CN8.1 U6.25
UART3_RX: CN5.3 U6.34
UART3_TX: CN5.4 U6.33
UART4_RX: CN1.2 CN2.2 CN7.2 U6.24
UART4_TX: CN7.1 U6.23
UART8_RX: CN10.3 U6.18
UART8_TX: CN10.4 U6.17
USB_DN: U6.70 USB1.5 USB1.7
USB_DP: U6.71 USB1.6 USB1.8
VBAT_ADC: C22.2 R16.1 R20.2 U6.35
VCC3V3_IMU: C11.2 C12.2 C25.2 C26.2 C27.2 C39.2 C40.2 R15.1 R17.1 R18.1 R29.2 R31.2 U3.5 U5.8 U5.13 U8.2 U8.6 U8.8
VCC3V3_MCU: C13.2 C14.2 C32.2 C33.2 C34.2 C35.2 C36.2 C37.2 C44.2 C45.2 CN15.3 R23.2 R30.1 SW1.3 SW1.4 U4.5 U6.6 U6.11 U6.21 U6.22 U6.28 U6.50 U6.75 U6.100 U9.3 U9.7 U9.8
VCC5V: C3.2 C4.2 C5.2 C6.2 C41.2 C42.2 C43.2 CN3.2 CN4.3 CN6.3 CN7.3 CN9.3 CN10.6 D1.2 D2.2 P1.1 P2.2 P3.2 P4.2 P5.2 R27.1 R28.1 U3.1 U3.3 U4.1 U4.3 U7.3 U7.21 U7.24
VCC10V: C7.2 C8.2 CN5.6 CN6.4 CN8.4 L1.1 R8.2
VCC_BAT: C15.2 C16.2 C18.2 C19.2 CN1.7 CN2.7 D3.2 R4.1 R5.1 R16.2 U1.7 U2.7
VCC_USB: C46.2 C47.2 D2.1 USB1.2 USB1.11
pads on no net: CN2.1 U3.4 U4.4 U5.1 U5.2 U5.3 U5.4 U5.5 U5.6 U5.7 U5.12 U5.14 U5.15 U5.16 U5.17 U5.19 U5.21 U6.1 U6.2 U6.3 U6.4 U6.5 U6.7 U6.8 U6.9 U6.19 U6.38 U6.39 U6.40 U6.41 U6.42 U6.43 U6.44 U6.45 U6.46 U6.49 U6.51 U6.52 U6.53 U6.54 U6.55 U6.56 U6.57 U6.58 U6.59 U6.67 U6.73 U6.81 U6.83 U6.88 U6.89 U6.90 U6.91 U6.97 U6.98 U7.1 U7.2 U7.7 U7.12 U7.13 U7.14 U7.15 U7.16 U7.17 U7.18 U7.27 U7.28 U7.29 USB1. USB1.3 USB1.9

## Keep-outs
Keep-Out Layer:
  the board outline again, w0.5

## Silkscreen, mask and mechanical layers (free items; w line width, h text height)
Mechanical 1:
  circle w0.5: c2697.89,3713.68 r78.74
  circle w0.5: c3898.68,3713.68 r78.74
  circle w0.5: c3898.68,2512.89 r78.74
  circle w0.5: c2697.89,2512.89 r78.74
  lines w0.5: 2550.25,2512.89 ccw(c2697.89,2512.89) 2697.89,2365.25 3898.68,2365.25 ccw(c3898.68,2512.89) 4046.31,2512.89 4046.31,3713.68 ccw(c3898.68,3713.68) 3898.68,3861.31 2697.89,3861.31 ccw(c2697.89,3713.68) 2550.25,3713.68 2550.25,2512.89
Mechanical 3:
  circle w0.5: c147.89,147.89 r78.74
  circle w0.5: c1348.68,147.89 r78.74
  circle w0.5: c1348.68,1348.68 r78.74
  circle w0.5: c147.89,1348.68 r78.74
  lines w0.5: 0.25,147.89 ccw(c147.89,147.89) 147.89,0.25 1348.68,0.25 ccw(c1348.68,147.89) 1496.31,147.89 1496.31,1348.68 ccw(c1348.68,1348.68) 1348.68,1496.31 147.89,1496.31 ccw(c147.89,1348.68) 0.25,1348.68 0.25,147.89

## Text inside footprints (layer, text, board x,y; h text height)
C1: Mechanical 15 "1" at 2827.86,3249.23 h25 r90
C2: Mechanical 15 "1" at 3272.77,3281.27 h25 r180
C3: Mechanical 15 "1" at 3165.27,2969.83 h25 r270
C4: Mechanical 15 "1" at 3120.99,2975.55 h25 r270
C5: Mechanical 15 "1" at 3543.42,2978.04 h25 r270
C6: Mechanical 15 "1" at 3492.99,2984.55 h25 r270
C7: Mechanical 15 "1" at 2715.53,3270.71 h25 r180
C8: Mechanical 15 "1" at 2715.53,3192.71 h25 r180
C9: Mechanical 15 "1" at 3155.63,3264.44 h25 r180
C10: Mechanical 15 "1" at 3156.53,3184.71 h25 r180
C11: Mechanical 15 "1" at 2857.42,2964.04 h25 r270
C12: Mechanical 15 "1" at 2919.99,2977.55 h25 r270
C13: Mechanical 15 "1" at 3221.42,2970.04 h25 r270
C14: Mechanical 15 "1" at 3290.14,2959.77 h25 r270
C15: Mechanical 15 "1" at 2904.53,3577.71 h25 r180
C16: Mechanical 15 "1" at 2905.16,3499.1 h25 r180
C17: Mechanical 15 "1" at 3010.77,3304.15 h25 r270
C18: Mechanical 15 "1" at 3375.53,3556.71 h25 r180
C19: Mechanical 15 "1" at 3376.53,3473.71 h25 r180
C20: Mechanical 15 "1" at 3471.24,3289.49 h25 r270
C21: Mechanical 15 "1" at 2796.23,3331.86 h25 r180
C22: Mechanical 15 "1" at 3761.23,3520.14 h25
C23: Mechanical 15 "1" at 3145.44,2806.78 h25 r180
C24: Mechanical 15 "1" at 2808.77,3095.14 h25
C25: Mechanical 15 "1" at 2918.23,2899.86 h25 r180
C26: Mechanical 15 "1" at 3001.77,2703.24 h25 r180
C27: Mechanical 15 "1" at 3106.91,2683.07 h25
C28: Mechanical 15 "1" at 3865.23,3206.14 h25
C29: Mechanical 15 "1" at 3731.42,3131.04 h25 r270
C30: Mechanical 15 "1" at 3863.77,3447.86 h25 r180
C31: Mechanical 15 "1" at 3678.42,3131.04 h25 r270
C32: Mechanical 15 "1" at 3549.86,2802.77 h25 r90
C33: Mechanical 15 "1" at 2902.77,3327.14 h25
C34: Mechanical 15 "1" at 2908.77,3024.14 h25
C35: Mechanical 15 "1" at 3083.23,3574.86 h25 r180
C36: Mechanical 15 "1" at 3621.14,3579.23 h25 r270
C37: Mechanical 15 "1" at 3116.86,2802.77 h25 r90
C38: Mechanical 15 "1" at 3666.77,3370.86 h25 r180
C39: Mechanical 15 "1" at 2788.14,2784.77 h25 r270
C40: Mechanical 15 "1" at 2739.14,2785.77 h25 r270
C41: Mechanical 15 "1" at 3666.77,3409.86 h14.76 r180
C42: Mechanical 15 "1" at 3666.77,3331.86 h25 r180
C43: Mechanical 15 "1" at 3977.14,3217.77 h25 r270
C44: Mechanical 15 "1" at 3483.58,3685.04 h25 r90
C45: Mechanical 15 "1" at 3456.14,3798.23 h25 r270
C46: Mechanical 15 "1" at 3513.29,2553.53 h29.53 r270
C47: Mechanical 15 "1" at 3613.29,2553.53 h29.53 r270
R1: Mechanical 15 "1" at 3509.77,2734.14 h25
R2: Mechanical 15 "1" at 2877.86,3218.53 h25
R3: Mechanical 15 "1" at 3323.33,3213.87 h25
R4: Mechanical 15 "1" at 2926.77,3201.15 h25 r270
R5: Mechanical 15 "1" at 3376.24,3199.49 h25 r270
R6: Mechanical 15 "1" at 3010.77,3394.15 h25 r270
R7: Mechanical 15 "1" at 2986.48,3207.62 h25 r90
R8: Mechanical 15 "1" at 2877.23,3177.14 h25
R9: Mechanical 15 "1" at 3471.24,3374.49 h25 r270
R10: Mechanical 15 "1" at 3433.95,3205.96 h25 r90
R11: Mechanical 15 "1" at 3324.23,3168.56 h25
R12: Mechanical 15 "1" at 3029.48,3207.62 h25 r90
R13: Mechanical 15 "1" at 3478.95,3205.96 h25 r90
R14: Mechanical 15 "1" at 3677.23,2751.86 h25 r180
R15: Mechanical 15 "1" at 2903.44,2844.78 h25 r180
R16: Mechanical 15 "1" at 3686.14,3546.77 h25 r270
R17: Mechanical 15 "1" at 2903.44,2804.78 h25 r180
R18: Mechanical 15 "1" at 2903.44,2764.78 h25 r180
R19: Mechanical 15 "1" at 3145.44,2846.78 h25 r180
R20: Mechanical 15 "1" at 3761.23,3562.14 h25
R21: Mechanical 15 "1" at 2931.86,3531.77 h25 r90
R22: Mechanical 15 "1" at 3145.44,2766.78 h25 r180
R23: Mechanical 15 "1" at 2919.23,3187.86 h25 r180
R24: Mechanical 15 "1" at 3719.23,3046.14 h25
R25: Mechanical 15 "1" at 3584.77,3371.86 h25 r180
R26: Mechanical 15 "1" at 3281.14,2807 h25 r270
R27: Mechanical 15 "1" at 3665.77,3453.86 h25 r180
R28: Mechanical 15 "1" at 3979.14,3339.77 h25 r270
R29: Mechanical 15 "1" at 2710.35,3012.07 h25 r270
R30: Mechanical 15 "1" at 5621.77,3392.86 h25 r180
R31: Mechanical 15 "1" at 2756.35,3010.07 h25 r270
R32: Mechanical 15 "1" at 3753.86,2992.77 h25 r90
R33: Mechanical 15 "1" at 3698.86,2992.77 h25 r90
R34: Mechanical 15 "1" at 2997.86,3756.77 h25 r90
R35: Mechanical 15 "1" at 3654.86,3552.23 h25 r90
R36: Mechanical 15 "1" at 2953.86,3756.77 h25 r90
R37: Mechanical 15 "1" at 3614.86,3552.23 h25 r90
R38: Mechanical 15 "1" at 2910.86,3756.77 h25 r90
R39: Mechanical 15 "1" at 3574.86,3552.23 h25 r90
R40: Mechanical 15 "1" at 2866.86,3757.77 h25 r90
R41: Mechanical 15 "1" at 3534.86,3552.23 h25 r90
R42: Mechanical 15 "1" at 3192.23,2668.86 h25 r180